# KiCad board BatreeqV2.kicad_pcb (continued)
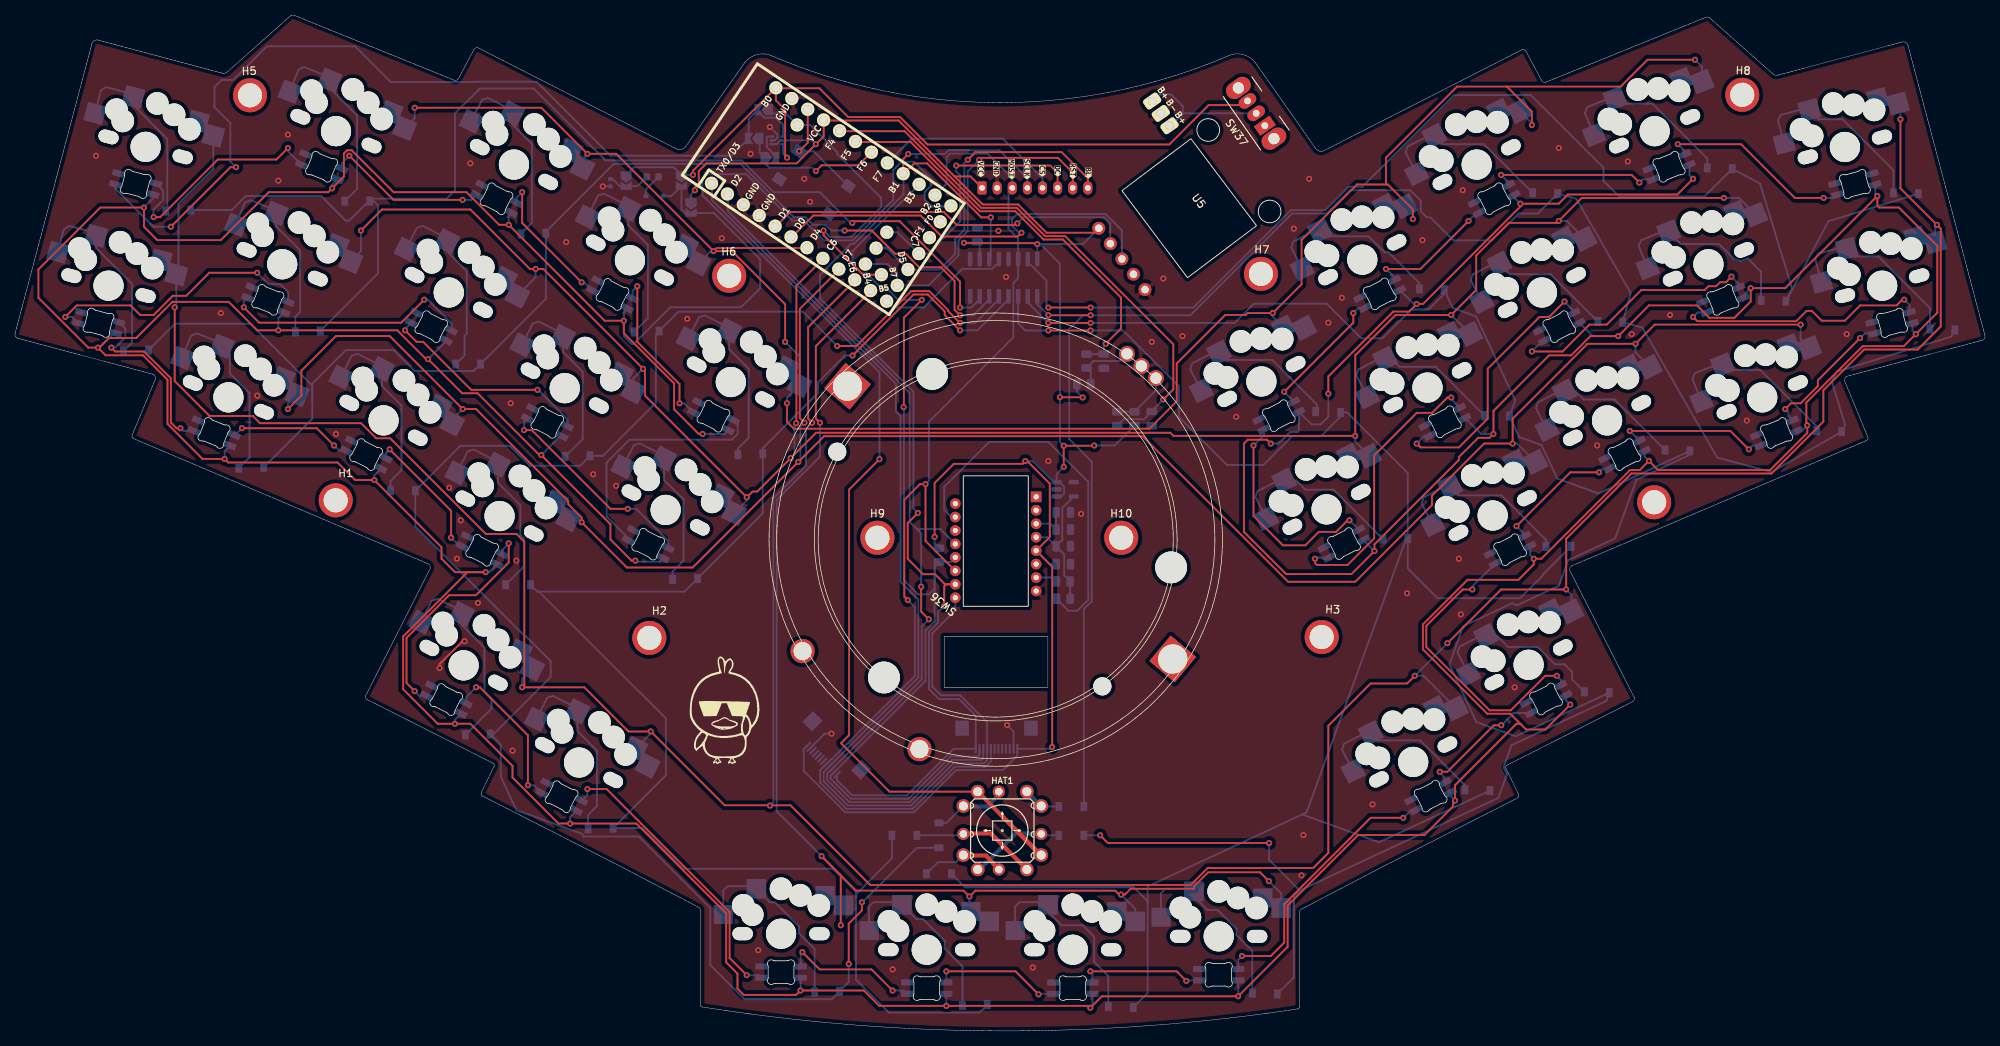
[diagram p0: board, top side]
## Nets (continued)
Net-(D39-Pad1): D39.1 HAT1.6
Net-(D40-Pad2): D40.2 F1.1
Net-(D41-Pad2): D41.2 D47.4
Net-(D41-Pad4): D41.4 D70.2
Net-(D42-Pad2): D42.2 D48.4
Net-(D42-Pad4): D42.4 D71.2
Net-(D43-Pad2): D43.2 D49.4
Net-(D43-Pad4): D43.4 D74.2
Net-(D44-Pad2): D44.2 D50.4
Net-(D45-Pad2): D45.2 D51.4
Net-(D45-Pad4): D45.4 D72.2
Net-(D46-Pad2): D46.2 D52.4
Net-(D46-Pad4): D46.4 D73.2
Net-(D47-Pad2): D47.2 D53.4
Net-(D48-Pad2): D48.2 D54.4
Net-(D49-Pad2): D49.2 D55.4
Net-(D50-Pad2): D50.2 D56.4
Net-(D51-Pad2): D51.2 D57.4
Net-(D52-Pad2): D52.2 D58.4
Net-(D53-Pad2): D53.2 D59.4
Net-(D54-Pad2): D54.2 D60.4
Net-(D55-Pad2): D55.2 D61.4
Net-(D56-Pad2): D56.2 D62.4
Net-(D57-Pad2): D57.2 D63.4
Net-(D58-Pad2): D58.2 D64.4
Net-(D60-Pad2): D60.2 D65.4
Net-(D61-Pad2): D61.2 D66.4
Net-(D62-Pad2): D62.2 D67.4
Net-(D63-Pad2): D63.2 D68.4
Net-(D64-Pad2): D64.2 D69.4
Net-(D65-Pad2): D65.2 D70.4
Net-(D66-Pad2): D66.2 D71.4
Net-(D67-Pad2): D67.2 D72.4
Net-(D68-Pad2): D68.2 D73.4
Net-(D69-Pad2): D69.2 D74.4
Net-(JP6-Pad2): JP6.2 U6.3
Net-(R1-Pad2): R1.2 U4.15
Net-(R2-Pad1): R2.1 U4.7
Net-(R4-Pad2): R4.2 R5.1 SW36.A
Net-(R6-Pad1): R6.1 R7.2 SW36.B

Pads without a net: D59 2; H1 1; H2 1; H3 1; H4 1; H5 1; H6 1; H7 1; H8 1; H9 1; H10 1; J1 3 4 5 6 7 13 14; J2 6 7 8 9 10 13 14; SW36 MP; SW37 1; U1 28 29; U2 9; U3 4; U4 1 2 6 14 16; U5 4

## Via types
v1: diameter 0.8, hole 0.4, Top to Bottom, 258 vias

## Routing (per net, layer and track width the routed paths; a pad name or vN(x,y) marks a point on that pad's centre or on a via; arc(x,y) is an arc through that point)
GND: length 15.9
  Top w0.25: v1(56.19,48.01) 56.19,48.55 59.21,51.57 v1(59.49,51.57)
  Bottom w0.25: J1.2 107.15,39.34 v1(108.04,39.34) ; U6.2 100.53,117.86 100.9,118.23 100.9,118.63 v1(99.88,119.64) ; J2.11 132.14,39.63 v1(131.28,40.49) ; v1(77.78,111.77) C6.2
  vias: v1(10.73,115.83) v1(27.24,95) v1(32.06,84.08) v1(34.86,112.53) v1(36.13,118.63) v1(42.48,79) v1(57.46,71.89) v1(58.48,62.49) v1(58.99,67.57) v1(60.26,114.82) v1(61.27,56.65) v1(65.59,83.07) v1(65.84,37.09) v1(66.35,62.24) v1(72.96,104.4) v1(76.51,73.67) v1(79.56,72.14) v1(88.96,94.24) v1(93.53,104.91) v1(97.34,116.09) v1(98.36,10.68) v1(104.45,112.78) v1(105.21,109.74) v1(116.14,8.14) v1(130.14,105.89) v1(131.16,99.8) v1(134.68,8.39) v1(136.74,75.41) v1(141.08,68.44) v1(150.43,91.19) v1(151.95,99.58) v1(154.49,91.96) v1(161.6,81.29) v1(169.22,106.18) v1(170.24,20.58) v1(170.49,25.92) v1(171.25,112.78) v1(173.79,93.73) v1(175.57,97.04) v1(179.64,29.98) v1(184.21,57.92) v1(186.24,104.66) v1(191.07,62.49) v1(191.32,55.13) v1(191.57,111.26) v1(198.43,45.47) v1(204.27,116.85) v1(209.35,77.48) v1(213.42,115.07) v1(213.93,92.21) v1(219.01,94.75) v1(229.17,80.78) v1(242.37,92.21)
VCC: length 270.3
  Top w0.25: 124.36,113.07 124.39,113.09 126.44,113.09 J3.1 ; 124.36,113.07 116.94,120.49 107.05,120.49 ; 124.36,113.07 128.05,109.38 132.75,109.38 136.49,105.64 142.82,105.64 U5.1 ; v1(137.25,37.56) 137.25,41.12 137.25,41.12 137.25,61.44 U4.5 136.93,65.36 136.93,72.43 133.95,75.41 v1(133.7,75.41) 133.33,75.05 124.23,75.05 121.69,72.51 v1(121.69,65.39) ; v1(142.81,77.48) 142.77,77.44 v1(138.78,77.44) v1(138.78,74.65) ; v1(125.57,104.31) 125.62,104.26 135.15,104.26 v1(135.28,104.13) ; U1.21 107.01,118.39 103.44,114.82 91.5,114.82 90.48,113.8 90.48,112.2 89.97,111.69 v1(89.97,111.26) ; v1(138.27,83.86) 141.25,83.86 v1(141.28,83.83)
  Bottom w0.25: v1(121.69,65.39) 121.69,64.45 R3.2 ; v1(135.28,104.13) 135.71,104.13 138.27,101.57 v1(138.27,83.86) 138.27,77.95 v1(138.78,77.44) ; v1(135.28,104.13) 141.31,104.13 U5.1 ; v1(135.28,104.13) U2.16 ; U3.1 138.43,70.73 138.82,71.12 138.82,72.02 138.22,72.63 U3.3 ; J1.1 104.37,37.27 104.37,34.41 109.85,28.93 118.96,28.93 124.55,34.52 130.73,34.52 132.64,36.42 J2.12 137.02,37.34 v1(137.25,37.56) ; U4.5 136.92,61.77 C1.1 ; v1(125.57,104.31) 127.4,104.31 127.66,104.05 U2.10 ; R5.2 145.5,77.48 v1(142.81,77.48) ; v1(105.98,117.36) 105.47,117.86 U6.5 101.27,117.86 100.97,117.57 100.97,117.49 100.84,117.36 U6.1 ; v1(138.78,74.65) 137.83,73.71 U3.3 ; JP1.1 89.47,110.75 v1(89.97,111.26) ; U3.3 137.5,72.63 134.71,75.41 v1(133.7,75.41) ; v1(141.28,83.83) 140.52,84.59 R6.2
VDD: length 18.4
  Bottom w0.25: R1.1 R2.2 138.84,60.27 138.84,63.06 C2.1 ; U4.4 136.56,65.34 C2.1 ; U3.5 138.59,69.21 138.59,64.96 C2.1
bat+: length 20.3
  Bottom w0.25: 150.55,123 151.48,123.93 153,123.93 154.52,122.4 154.52,121.39 152.91,119.77 154.58,121.44 SW37.2
col0: length 155.8
  Top w0.25: v1(110.8,106.94) 111.02,107.16 117.07,107.16 125.06,99.17 v1(125.06,95.73)
  Bottom w0.25: 47.14,110.16 44.22,107.24 43.78,107.24 40.52,110.5 30.54,110.5 28.67,108.63 28.4,108.63 28.4,108.63 D3.2 ; 47.14,110.16 57.12,110.16 58.22,111.26 58.22,121.43 61.52,124.72 68.64,124.72 78.15,115.21 96.19,115.21 100.39,111.01 106.48,111.01 110.55,106.94 v1(110.8,106.94) ; 47.14,110.16 48.03,109.26 48.03,100.26 D2.2 ; v1(125.06,95.73) 126.56,95.73 127.66,96.83 U2.7
col1: length 163.3
  Top w0.25: v1(125.06,94.72) 125.05,94.72 124.34,95.43 124.34,99.25 122.52,101.07 119.65,101.07 117.87,102.84 116.46,102.84 113.38,105.93 v1(109.79,105.93)
  Bottom w0.25: D6.2 39.34,81.02 39.34,83.23 ; 39.34,83.23 39.34,85.66 43.78,90.1 50.13,90.1 52.91,87.33 60.69,87.33 D5.2 70.25,96.89 D4.2 70.25,105.76 79.25,114.76 96,114.76 103.05,107.71 104.57,107.71 105.6,106.69 107.26,106.69 108.02,105.93 v1(109.79,105.93) ; 39.34,83.23 39.34,85.39 31.14,93.59 21.17,93.59 D7.2 ; v1(125.06,94.72) 126.81,94.72 128.93,96.83 U2.6
col2: length 240.8
  Top w0.25: v1(108.8,90.65) 111.34,90.65 118.61,97.92 120.97,97.92 123.48,95.41 123.48,95.27 125.03,93.72 v1(125.06,93.72) ; v1(110.33,8.86) 110.33,14.2 112.07,15.94 v1(112.07,17.03)
  Bottom w0.25: v1(110.33,8.86) 110.33,6.47 D12.2 108.06,4.2 96.53,4.2 92.01,8.72 92.01,16.26 82.54,25.73 75.24,25.73 75.09,26.05 66.35,29.23 64.29,33.64 64.29,37.89 D11.2 63.33,39.29 70.89,46.85 70.89,48.94 67.56,52.27 67.43,52.27 52.98,66.72 D10.2 58.93,77.44 65.48,77.44 68.13,74.79 74.77,74.79 D9.2 77.69,76.12 77.75,76.06 84.81,83.12 84.81,92.19 D8.2 87.79,95.18 104.28,95.18 v1(108.8,90.65) ; U2.5 130.2,96.83 127.08,93.72 v1(125.06,93.72) ; D35.2 119.35,24.23 112.14,17.03 v1(112.07,17.03)
col3: length 207.9
  Top w0.25: v1(125.06,92.72) 125.03,92.72 123.03,94.72 123.03,95.22 120.78,97.47 118.93,97.47 v1(110.84,89.38)
  Bottom w0.25: D15.2 69.13,58.14 69.35,58.14 ; 111.28,18.07 116.04,22.84 D36.2 ; 111.28,18.07 111.28,6.79 115.65,2.42 127.62,2.42 D17.2 ; 111.28,18.07 111.28,18.4 108.23,21.45 88.42,21.45 83.03,26.84 D16.2 86.13,33.83 86.13,41.36 69.35,58.14 ; 69.35,58.14 88.6,58.14 98.96,68.5 D13.2 98.96,77.12 106.26,84.43 106.26,85.83 109.82,89.38 v1(110.84,89.38) ; U2.4 131.47,96.83 127.35,92.72 v1(125.06,92.72)
col4: length 243.7
  Top w0.25: 142.33,92.68 142.32,92.7 v1(136.74,92.7)
  Bottom w0.25: D19.2 184.3,73.82 176.28,81.85 D18.2 175.41,81.31 172.81,78.71 169,78.71 165.19,74.9 160.37,74.9 154.02,81.25 154.02,85.3 146.62,92.7 v1(142.33,92.7) ; D19.2 184.3,61.2 188.24,57.27 199.16,57.27 202.21,60.31 202.21,60.44 D20.2 ; D19.2 184.05,65.05 170.9,28.91 170.34,28.65 ; 170.34,28.65 180.49,24.96 D21.2 ; 170.34,28.65 170.31,28.64 149.88,19.11 149.88,17.17 ; 149.88,17.17 148.02,19.02 125.69,19.02 D37.2 ; 149.88,17.17 149.88,5 D22.2 ; U2.3 132.74,93.64 133.68,92.7 v1(136.74,92.7)
col5: length 287
  Top w0.25: v1(136.74,93.7) 142.59,93.7 ; v1(165.95,24.87) 144.62,24.87 v1(143.6,25.88)
  Bottom w0.25: 170.01,18.58 170.01,18.57 169.22,17.79 169.22,7.08 D27.2 ; 170.01,18.58 165.95,22.63 v1(165.95,24.87) ; 170.01,18.58 196.28,30.83 197.42,33.97 196.98,34.92 198.03,37.81 210.57,43.66 D26.2 198.58,38.99 193.37,40.88 189.81,48.53 191.64,53.58 198.09,56.58 198.77,56.34 204.29,58.92 205.52,62.29 211.73,65.19 214.56,72.95 221.41,76.15 D23.2 209.53,71.12 204.07,73.11 202.02,77.52 199.06,78.6 D25.2 198.52,83.45 193.34,94.56 190.25,95.68 D24.2 189.13,97.57 187.04,95.48 184.75,95.48 180.94,91.67 178.15,91.67 173.57,96.24 163.92,96.24 161.38,93.7 v1(142.33,93.7) ; U2.2 134.01,96.43 136.74,93.7 v1(136.74,93.7) ; D38.2 v1(143.6,25.88)
col6: length 238.9
  Top w0.25: v1(136.74,94.72) v1(142.33,94.72)
  Bottom w0.25: U2.1 135.28,96.17 136.74,94.72 v1(136.74,94.72) ; D39.2 141.44,55.84 142.48,56.87 142.48,75.35 139.5,78.32 139.5,92.9 141.32,94.72 v1(142.33,94.72) 155.54,94.72 169,108.18 173.57,108.18 176.66,111.27 184.63,111.27 186.03,109.87 186.03,108.46 186.82,107.67 187.29,107.67 190.34,104.62 195.42,104.62 198.97,108.18 201.51,108.18 204.11,110.78 D28.2 206.6,110.14 213.79,97.68 D29.2 215.32,93.1 225.26,75.88 232.43,73.95 D30.2 242.17,80.18 240.39,85.99 241.07,87.26 256.22,91.89 D31.2
col7: length 163
  Top w0.25: v1(136.74,95.73) 142.59,95.73
  Bottom w0.25: v1(142.33,95.73) 155.92,95.73 168.82,108.63 173.39,108.63 176.48,111.72 178.27,111.72 190.41,123.85 200.57,123.85 210.2,114.23 210.2,112.49 212.22,110.46 223.59,110.46 D32.2 230.9,112.15 235.18,98.16 D33.2 239.97,107.17 D34.2 ; v1(136.74,95.73) 136.49,95.99 136.49,99.3 134.01,101.78 U2.15
EncL: length 71.2
  Top w0.25: v1(151.95,83.57) 153.28,84.9 153.28,90.88 138.97,105.19 136.3,105.19 132.56,108.93 127.86,108.93 117.72,119.07 109.16,119.07
  Bottom w0.25: v1(151.95,83.57) 150.43,82.05 C7.1 149.4,80.96 146.69,80.96 R4.1
EncR: length 54.3
  Top w0.25: 111.26,117.65 118.51,117.65 127.68,108.48 132.37,108.48 136.12,104.74 138.66,104.74 146.36,97.04 146.36,92.97 v1(144.33,90.94)
  Bottom w0.25: R7.1 144.04,89.57 C8.1 144.08,90.69 v1(144.33,90.94)
LED_3V3: length 19.1
  Top w0.25: U1.18 111.59,114.56 106.74,114.56 v1(105.98,113.8)
  Bottom w0.25: JP3.1 98.54,116.2 JP6.1 99.16,114.91 99.82,114.25 105.53,114.25 v1(105.98,113.8)
LED_5V: length 41.1
  Top w0.25: v1(106.99,105.93) 106.99,105.31 112.22,100.09 U1.30
  Bottom w0.25: v1(106.99,105.93) 107.85,105.07 110.66,105.07 112.64,107.05 112.64,107.06 114.61,109.03 114.61,110.24 108.77,116.09 108.77,116.34 105.21,119.9 U1.30 101.99,121.42 100.31,121.42 JP4.1
LED_DO: length 123.7
  Top w0.25: v1(29.27,114.31) 28.51,114.31 v1(20.63,106.43)
  Bottom w0.25: v1(20.63,106.43) 18.33,106.43 13.27,111.49 D44.4 ; U6.4 101.65,119.91 100.7,120.85 99.17,120.85 98.36,121.67 JP4.2 97.09,120.66 JP3.2 94.8,115.83 78.8,115.83 69.01,125.62 61.14,125.62 61.11,125.59 49.74,125.59 45.02,130.31 33.33,130.31 28.89,125.86 27.36,125.86 26.4,124.9 26.4,122.26 28.51,120.15 28.51,115.07 v1(29.27,114.31)
LED_PWR: length 970.1
  Top w0.25: v1(10.98,90.43) 11.14,90.43 12.41,91.7 16.05,91.7 20.84,96.49 28.29,96.49 32.06,92.72 v1(34.86,92.72) 50.6,92.72 54.41,88.91 v1(54.67,88.91) 59.18,84.39 61.21,84.39 69.4,76.21 v1(69.65,76.21) 78.8,67.06 78.8,65.03 81.59,62.24 v1(82.1,62.24) ; v1(10.98,90.43) 9.7,90.43 3.11,97.03 3.11,100.78 11.3,108.97 v1(17.08,108.97) 17.08,106.43 18.85,104.66 27.24,104.66 33.59,111.01 41.46,111.01 v1(41.97,111.51) 43.53,113.08 43.53,116.13 43.95,116.56 44.55,116.56 50.11,111.01 59.75,111.01 64.07,106.69 v1(65.34,106.69) 78.04,93.99 v1(80.58,93.99) 80.58,92.34 87.22,85.69 87.22,82.27 90.48,79 v1(90.99,79) ; v1(10.98,90.43) 12,89.42 16.95,89.42 20.18,86.18 20.18,80.34 24.82,75.7 v1(27.74,75.7) 28.21,75.24 42.69,75.24 45.02,72.91 v1(47.56,72.91) 56.45,64.02 56.45,62.49 58.22,60.71 v1(62.29,60.71) 59.87,60.71 51.37,52.21 51.37,45.22 55.94,40.65 v1(58.22,40.65) 60.26,40.65 65.84,35.06 65.84,33.53 71.93,27.44 v1(73.46,27.44) 82.23,27.44 94.12,15.55 94.12,9.07 95.61,7.57 95.61,5.59 96.43,4.76 103.37,4.76 v1(103.94,5.34) 112.33,5.34 114.36,3.31 v1(123.25,3.31) 142.04,3.31 v1(142.3,3.06) 143.82,4.58 v1(161.86,4.58) 168.4,11.13 168.4,16.59 177.73,25.92 186.49,25.92 190.3,29.73 190.3,30.23 v1(190.56,30.49) 190.56,32.52 198.69,40.65 199.19,40.65 ; v1(173.79,84.34) 173.79,86.62 182.37,95.2 184.48,95.2 v1(185.48,96.2) 186.3,96.2 199.19,109.1 v1(199.19,109.48) 204.27,109.48 205.49,110.69 219.96,110.69 v1(222.05,112.78) ; v1(166.17,77.73) 165.67,78.24 163.13,78.24 162.62,77.73 162.62,66.05 168.21,60.46 176.84,60.46 v1(179.89,63.51) 179.89,64.4 191.07,75.57 191.07,75.95 193.61,78.49 195.13,78.49 v1(195.64,79) 195.64,82.05 203,89.42 205.92,89.42 208.46,91.96 v1(212.15,91.96) 216.21,96.02 222.56,96.02 224.2,94.38 227.53,94.38 229.67,96.53 v1(229.67,98.31) 234.25,98.31 v1(246.44,110.5) 246.44,109.23 246.69,108.97 249.29,108.97 254.37,103.89 254.37,95.06 v1(251.52,92.21) 249.94,90.63 244.5,90.63 237.04,83.17 237.04,80.53 237.16,80.41 v1(237.16,80.14) 237.16,79.14 232.25,74.23 217.43,74.23 v1(216.21,75.45) 214.99,74.23 213.71,74.23 201.97,62.49 v1(200.97,62.49) 200.97,61.73 198.94,59.7 192.21,59.7 186.3,53.79 186.3,50.5 194.82,41.98 197.87,41.98 199.19,40.65 ; 199.19,40.65 199.96,39.89 202.5,39.89 v1(205.8,43.19)
  Bottom w0.25: v1(205.8,43.19) 205.25,43.73 D55.1 ; v1(17.08,108.97) 18.3,110.19 D44.1 ; D40.1 86.85,110.5 JP2.2 88.2,108.72 88.67,108.25 JP1.2 92.48,108.25 98.61,102.12 98.61,98.31 96.07,95.77 86.71,95.77 81.88,90.94 81.59,90.94 80.58,91.96 v1(80.58,93.99) 80.58,95.15 D62.1 ; D58.1 73.46,28.3 v1(73.46,27.44) ; D59.1 246.16,110.77 v1(246.44,110.5) ; v1(65.34,106.69) 65.34,107.92 D56.1 ; v1(199.19,109.48) 198.38,110.29 D47.1 ; v1(179.89,63.51) 178.52,64.88 D65.1 ; v1(222.05,112.78) 221.56,113.28 D53.1 ; v1(251.52,92.21) 251.09,92.64 D42.1 ; D73.1 47.56,73.53 v1(47.56,72.91) ; D50.1 41.97,111.96 v1(41.97,111.51) ; v1(190.56,30.49) 189.98,31.07 D49.1 ; D74.1 142.58,3.34 v1(142.3,3.06) ; v1(237.16,80.14) 236.44,79.41 D71.1 ; D69.1 123.25,3.32 v1(123.25,3.31) ; v1(103.94,5.34) 103.97,5.37 D64.1 ; v1(173.79,84.34) 173.79,81.29 172.78,80.27 171.56,80.27 D70.1 169.89,79.42 169.73,79.26 168.71,79.26 167.19,77.73 v1(166.17,77.73) ; v1(69.65,76.21) 72.14,78.69 D45.1 ; D61.1 200.5,62.97 v1(200.97,62.49) ; v1(58.22,40.65) 58.22,41.19 D52.1 ; v1(185.48,96.2) 185.1,96.2 D41.1 ; v1(161.86,4.58) 161.88,4.61 D43.1 ; D63.1 13.13,92.33 11.23,90.43 v1(10.98,90.43) ; v1(212.15,91.96) 208.77,91.96 D54.1 ; v1(54.67,88.91) 57.08,91.31 D51.1 ; D60.1 194,79 v1(195.64,79) ; D72.1 85.31,62.11 82.23,62.11 v1(82.1,62.24) ; D68.1 27.74,76.74 v1(27.74,75.7) ; v1(90.99,79) 93.9,79 D67.1 ; D66.1 215.64,76.02 v1(216.21,75.45) ; v1(62.29,60.71) 62.75,60.71 D46.1 ; D57.1 34.86,94.35 v1(34.86,92.72) ; D48.1 228.68,97.31 v1(229.67,98.31)
MISO: length 133.3
  Top w0.25: v1(119.98,96.75) 117.63,94.4 117.63,82.6 v1(117.58,82.56)
  Bottom w0.25: 121.69,61.48 121.69,54.21 120.49,53.01 120.49,46.32 J1.11 107.9,33.74 107.9,33.42 110.6,30.73 118.22,30.73 123.81,36.32 127.37,36.32 127.64,36.59 J2.2 ; 121.69,61.48 R3.1 ; 121.69,61.48 R3.1 ; 121.69,61.48 121.69,58.54 120.94,57.78 119.53,57.78 117.63,59.68 117.63,82.51 v1(117.58,82.56) ; U4.12 123.81,62.05 R3.1 ; v1(119.98,96.75) 116.87,96.75 115.37,98.25 114.69,98.25 112.66,100.28 112.03,100.28 110.84,101.47 110.84,103.23 U1.15
MOSI: length 150.5
  Top w0.25: U4.11 120.49,64.83 v1(120.49,72.36) 119.75,72.36 117.69,70.3 117.69,57.46 v1(118.14,57.01)
  Bottom w0.25: U1.14 123.28,112.15 123.28,115.67 123.72,116.11 128.7,116.11 131.97,112.84 J3.3 131.47,111.07 131.47,106.15 132.74,104.88 132.74,99.6 132.12,98.98 132.12,91.82 120.93,80.63 120.93,72.81 v1(120.49,72.36) ; v1(118.14,57.01) 119.08,56.07 119.08,46.96 107.94,35.82 107.87,35.82 J1.8 106.56,34.51 106.56,32.86 110.04,29.38 118.78,29.38 124.37,34.97 128.43,34.97 129.14,35.67 J2.5
MOTION: length 148.3
  Bottom w0.25: 92.22,112.14 92.22,109.97 116.57,85.63 116.57,81.96 117.18,81.35 117.18,59.42 119.53,57.07 119.53,46.78 J1.9 107.01,34.25 107.01,33.05 110.22,29.83 118.59,29.83 124.18,35.42 128.25,35.42 128.64,35.81 J2.4 128.64,40.85 125.06,44.42 122.52,44.42 122.27,44.68 122.27,44.68 121.39,45.56 121.39,52.63 124.43,55.68 U4.9
NCS: length 125.5
  Top w0.25: v1(120.93,54.47) 119.91,55.49 v1(119.91,58.79)
  Bottom w0.25: 119.35,66.41 118.39,67.37 118.39,84.44 94.33,108.5 94.33,110.72 ; 119.35,66.41 122.47,66.41 U4.13 ; 119.35,66.41 119.91,65.84 v1(119.91,58.79) ; v1(120.93,54.47) 119.98,53.52 119.98,46.52 J1.10 107.45,34 107.45,33.23 110.41,30.28 118.41,30.28 123.99,35.87 127.93,35.87 128.14,36.07 J2.3
RAW: length 105.5
  Top w0.25: SW37.3 162.54,122.53 157.95,122.53 152.75,117.32 120.74,117.32 117.12,120.94 110.26,120.94 106.45,124.76 100.74,124.76 ; v1(102.17,115.58) 101.91,115.83 101.91,121.93 100.69,123.15 U1.24 89.72,113.85 v1(89.72,113.29)
  Bottom w0.25: v1(102.17,115.58) 101.65,116.1 U6.6 ; v1(89.72,113.29) JP2.1 87.18,114.31 81.92,114.31 JP5.1
RESET: length 14.5
  Top w0.25: v1(103.76,116.41) 104.9,117.55 U1.22
  Bottom w0.25: SW35.1 v1(103.76,116.41) 105.7,116.41 SW35.1
row_0: length 272.3
  Top w0.25: v1(102.17,83.07) 102.17,80.61 103.08,79.7 150.11,79.7 153.73,83.32 153.73,88.34 160.14,94.75 162.85,94.75 163.1,95 v1(166.43,95) 170.25,98.83 170.25,104.69 177.58,112.02 181.41,112.02 ; v1(92.44,103.2) 92.86,103.62 104.86,103.62 ; v1(92.44,103.2) 79.56,116.09 v1(75.75,116.09) 69.65,122.18 v1(52.89,122.18) ; v1(92.44,103.2) 94.89,103.2 101.91,96.18 v1(101.91,91.19) ; 181.41,112.02 181.67,112.02 184.97,108.72 v1(184.97,107.45) ; 181.41,112.02 181.41,115.58 190.81,124.98 197.42,124.98 ; v1(222.31,128.53) 216.02,128.53 212.47,124.98 197.42,124.98 ; 197.42,124.98 200.72,121.67 v1(200.72,119.9)
  Bottom w0.25: v1(52.89,122.18) 52.89,120.79 SW1.1 ; v1(200.72,119.9) 200.72,120.12 SW28.1 ; 92.26,103.13 92,103.13 SW8.1 ; SW24.1 184.97,108.15 v1(184.97,107.45) ; v1(222.31,128.53) 223.23,127.61 SW32.1 ; SW18.1 168.85,93.05 168.46,93.44 167.53,93.44 166.43,94.53 v1(166.43,95) ; v1(75.75,116.09) 75.1,115.44 SW4.1 ; v1(102.17,83.07) 102.17,83.82 SW13.1 103.8,89.3 v1(101.91,91.19)
row_1: length 285.1
  Top w0.25: v1(45.78,105.93) 48.57,108.72 60.26,108.72 68.13,100.85 69.91,100.85 83.37,87.38 83.37,84.08 v1(96.83,70.62) 97.59,71.38 98.22,71.38 106,79.16 152.88,79.16 153.3,78.75 v1(177.35,78.75) 177.35,89.42 182.68,94.75 v1(190.05,94.75) 193.35,98.05 193.35,102.62 197.67,106.94 204.02,106.94 207.32,110.24 v1(226.12,110.24) ; v1(103.38,80.42) 103.4,80.45 103.4,98.63 106.96,102.2
  Bottom w0.25: v1(226.12,110.24) 228.14,110.24 SW33.1 ; SW5.1 68.89,99.73 v1(68.89,100.85) ; v1(103.38,80.42) 103.15,80.2 103.15,76.32 v1(102.64,75.81) ; SW19.1 177.35,78 v1(177.35,78.75) ; v1(190.05,94.75) 190.07,94.75 SW25.1 ; SW29.1 205.34,107.2 v1(204.27,107.2) ; SW9.1 81.83,86.35 v1(83.12,87.64) ; SW2.1 45.78,103.18 v1(45.78,105.93) ; v1(96.83,70.62) 96.83,70.19 SW14.1
row_2: length 297.8
  Top w0.25: v1(236.28,93.48) 216.97,93.48 v1(214.43,90.94) 208.08,90.94 198.18,81.03 v1(198.18,77.73) 194.4,77.73 187.5,70.84 187.5,69.6 177.35,59.44 168.46,59.44 149.19,78.71 107.07,78.71 89.69,61.33 80.98,61.33 v1(74.99,67.32) 74.99,67.93 73.21,69.71 73.21,70.11 61.02,82.3 v1(59.24,82.3) 49.59,91.96 42.48,91.96 37.9,87.38 37.9,84.08 v1(36.13,82.3) ; v1(104.47,80.49) 103.85,81.11 103.85,95.56 109.07,100.78
  Bottom w0.25: SW10.1 57.85,80.91 v1(59.24,82.3) ; v1(103.66,75.3) 103.91,75.55 103.91,79.93 v1(104.47,80.49) ; v1(74.99,67.32) 74.59,67.72 SW15.1 ; v1(198.18,77.73) 198.78,77.73 SW20.1 ; SW23.1 214.43,89.8 v1(214.43,90.94) ; SW30.1 236.28,91.61 v1(236.28,93.48) ; SW6.1 36.13,83.03 v1(36.13,82.3)
row_3: length 479.5
  Top w0.25: v1(105.49,80.49) 104.96,81.03 104.96,93.14 111.18,99.35 ; v1(21.14,95.77) 21.14,86 25.75,81.39 31.48,81.39 32.43,80.43 45.8,80.43 47.8,78.43 49.65,78.43 62.31,65.77 66.38,65.77 67.4,64.75 67.4,45.76 v1(67.11,45.47) 75.35,45.47 81.19,39.63 v1(84.13,39.63) 93.9,29.87 102.62,29.87 113.17,19.31 155.57,19.31 157.83,21.56 171.8,21.56 173.79,23.56 173.79,40.39 179.38,45.98 184.21,45.98 v1(185.22,47) ; v1(189.54,51.32) 196.65,58.43 v1(205.26,58.43) 205.26,65.14 213.89,73.78 232.44,73.78 239.29,80.63 239.29,84.79 244.69,90.18 251.77,90.18 254.82,93.23 254.82,106.18 249.49,111.51 v1(249.49,120.66)
  Bottom w0.25: SW3.1 26.25,114.09 21.65,109.48 21.65,100.41 SW7.1 21.34,95.97 v1(21.14,95.77) ; v1(67.11,45.47) 67.11,46.63 SW11.1 ; SW26.1 205.96,57.73 v1(205.26,58.43) ; v1(84.13,39.63) 84.13,39.37 82.4,37.64 ; v1(105.49,80.49) 104.67,79.67 104.67,74.79 100.36,70.47 100.36,30.26 v1(99.91,29.82) ; SW31.1 254.09,106.46 v1(254.31,106.69) ; v1(189.54,51.32) v1(185.22,47) 186.38,47 SW21.1 ; SW34.1 249.49,122.42 v1(249.49,120.66)
row_4: length 172.6
  Top w0.25: v1(165.92,19.82) 164.75,20.99 157.89,20.99 156.01,19.12 156.01,18.8 147.63,18.8 146.87,18.04 v1(146.36,18.04) 146.11,18.04 145.59,18.56 127.07,18.56 v1(126.3,17.79) 125.52,18.57 111.29,18.57 v1(106.74,23.12) 109.28,20.58 v1(109.28,13.98) ; v1(106.52,80.49) 105.98,81.03 105.98,90.63 113.28,97.93
  Bottom w0.25: SW17.1 126.3,17.12 v1(126.3,17.79) ; v1(165.92,19.82) 167.56,18.18 SW27.1 ; v1(109.28,13.98) 109.28,16.24 SW12.1 ; SW22.1 148.25,16.15 v1(146.36,18.04) ; v1(106.52,80.49) 106.52,76 100.8,70.29 100.8,29.06 v1(106.74,23.12)
row_5: length 155.9
  Top w0.25: HAT1.4 115.72,31.67 109.31,38.07 110.38,39.14 110.38,71.65 v1(114.39,75.67)
  Bottom w0.25: v1(114.39,75.67) 114.39,87.17 90.97,110.59 90.97,112.68 91.67,113.38 96.74,113.38 102.86,107.26 104.39,107.26 107.03,104.62 110.84,104.62 113.08,106.86 113.08,106.87 116.23,110.01 116.23,113.92 117.34,115.04 118.96,115.04 121.25,112.75 121.25,111.9 120.39,111.04 120.39,110.02 121.31,109.11 123.92,109.11
SCL: length 55
  Top w0.25: 102.75,105.04 105.64,107.92 119.84,107.92 122.63,105.13 132.68,105.13 v1(133.19,105.64)
  Bottom w0.25: v1(133.19,105.64) 132.85,105.64 131.92,106.57 131.92,107.41 132.62,108.12 144.3,108.12 146.47,105.94 U5.3
SCLK: length 161.9
  Top w0.25: v1(122.96,56.25) 122.96,58.84 123.24,59.11 U4.10 123.07,59.11 121.74,60.44 120.17,60.44 118.14,62.47 118.14,67.22 v1(119.47,68.55) ; 117.58,113.39 119,114.81 120.71,114.81 127.85,107.67 v1(129.12,107.67) ; U1.16 117.54,115.39 v1(118.2,116.05)
  Bottom w0.25: v1(129.12,107.67) 129.12,102.35 ; J1.12 108.77,33.19 110.78,31.18 118.03,31.18 124.19,37.34 J2.1 127.14,41.71 124.93,43.92 122.27,43.92 120.94,45.24 120.94,52.82 122.14,54.02 122.14,55.42 122.42,55.7 122.42,55.7 v1(122.96,56.25) ; 117.58,113.39 117.58,110.73 113.53,106.68 113.53,106.68 111.03,104.17 110.64,104.17 106.52,100.05 106.52,96.95 118.89,84.58 118.89,69.14 v1(119.47,68.55) ; J3.4 133.97,112.84 130.25,116.56 123.54,116.56 123.03,116.05 v1(118.2,116.05)
SDA: length 49.2
  Top w0.25: 100.65,106.46 102.57,108.38 122.91,108.38 124.64,106.65 132.43,106.65 v1(132.64,106.87)
  Bottom w0.25: v1(132.64,106.87) 133.44,107.67 144.11,107.67 144.94,106.84 U5.2
SR_CS: length 18
  Bottom w0.25: 115.39,96.51 116.17,95.73 120.23,95.73 125.36,100.86 129.27,100.86 130.2,101.78 U2.12
TFT_BL: length 44.6
  Top w0.25: v1(126.08,115.29) 127.09,116.31 138.5,116.31 141.97,112.84 J3.8
  Bottom w0.25: v1(126.08,115.29) 125.63,114.84 125.63,106.03 124.39,104.8 124.39,102.81 122.35,100.77 U1.26 115.35,103.6 U1.26
TFT_CS: length 25.3
  Bottom w0.25: J3.5 135.97,112.84 130.72,118.08 118.64,118.08 U1.17
TFT_DC: length 36
  Top w0.25: J3.6 137.97,113.56 137,114.53 v1(124.55,114.53)
  Bottom w0.25: U1.27 116.77,105.7 U1.27 120.83,102.88 125.06,107.1 125.06,113.26 124.55,113.77 v1(124.55,114.53)
TFT_RST: length 45.1
  Top w0.25: v1(127.6,115.29) 127.85,115.54 138.01,115.54 139.97,113.59 J3.7
  Bottom w0.25: v1(127.6,115.29) 126.08,113.77 126.08,105.84 124.84,104.61 124.84,102.63 120.88,98.67 U1.25 116.75,100.23 115.49,101.49 U1.25
Net-(C3-Pad1): length 5.2
  Bottom w0.25: U4.3 136.99,67.12 C3.1 C4.2
Net-(C6-Pad1): length 5.7
  Bottom w0.25: C6.1 79.11,112.73 80.03,111.8 JP5.2 82.37,111.8 F1.2
Net-(D1-Pad1): length 18.2
  Bottom w0.25: D1.1 45.27,111.45 45.27,121.17 41.68,124.76 SW1.2
Net-(D2-Pad1): length 17.3
  Bottom w0.25: D2.1 37.11,94.52 37.74,95.15 37.74,103.3 34.56,106.48 SW2.2
Net-(D3-Pad1): length 17
  Bottom w0.25: D3.1 20.17,108.72 20.17,118.04 15.67,122.54 SW3.2
Net-(D4-Pad1): length 17.6
  Bottom w0.25: SW4.2 65.81,119.99 68.4,117.4 68.4,106.96 66.96,105.51 D4.1
Net-(D5-Pad1): length 17.9
  Bottom w0.25: SW5.2 57.19,103.15 59.77,100.57 59.77,92.24 59.49,91.96 59.49,89.43 D5.1
Net-(D6-Pad1): length 18.2
  Bottom w0.25: D6.1 31.05,75.91 31.05,84.4 28.44,87.01 28.44,89.59 SW6.2
Net-(D7-Pad1): length 17.7
  Bottom w0.25: D7.1 15.49,91.09 15.49,98.88 10.76,103.61 SW7.2
Net-(D8-Pad1): length 18.1
  Bottom w0.25: SW8.2 81.16,106.61 83.75,104.02 83.75,94.32 D8.1
Net-(D9-Pad1): length 17.9
  Bottom w0.25: D9.1 75.12,78.33 75.12,87.25 72.54,89.84 SW9.2
Net-(D10-Pad1): length 17.8
  Bottom w0.25: D10.1 49.68,72.75 51.15,74.21 51.15,82.78 48.56,85.36 SW10.2
Net-(D11-Pad1): length 19
  Bottom w0.25: D11.1 63.05,42.63 63.05,43.95 62.13,44.87 62.13,50.72 59.16,53.69 SW11.2
Net-(D12-Pad1): length 17.3
  Bottom w0.25: D12.1 105.82,10.83 103.74,12.91 103.74,13.84 100.56,17.03 99.88,17.03 SW12.2
Net-(D13-Pad1): length 18.1
  Bottom w0.25: SW13.2 94.51,90.21 97.1,87.62 97.1,78.51 95.66,77.07 D13.1
Net-(D14-Pad1): length 17.7
  Bottom w0.25: SW14.2 85.89,72.93 88.47,70.34 88.47,62.26 87.02,60.81 D14.1
Net-(D15-Pad1): length 18.3
  Bottom w0.25: SW15.2 63.91,72.55 66.88,69.58 66.88,65.59 67.37,65.11 67.37,61.49 D15.1
Net-(D16-Pad1): length 17.1
  Bottom w0.25: SW16.2 74.43,39.68 77.01,37.1 77.01,29.76 75.85,28.6 D16.1
Net-(D17-Pad1): length 17.2
  Bottom w0.25: SW17.2 119.25,14.82 120.12,14.82 123.02,11.92 123.02,10.9 125.38,8.55 D17.1
Net-(D18-Pad1): length 16.8
  Bottom w0.25: D18.1 172.27,82.12 172.27,82.9 166.36,88.8 160.28,88.8 SW18.2
Net-(D19-Pad1): length 16.3
  Bottom w0.25: SW19.2 169.54,72.84 170.75,71.64 174.48,71.64 D19.1
Net-(D20-Pad1): length 16.4
  Bottom w0.25: SW20.2 191.07,70.87 196.69,70.87 202.59,64.97 D20.1
Net-(D21-Pad1): length 15.9
  Bottom w0.25: SW21.2 180.36,38.44 185.95,38.44 191.87,32.52 D21.1
Net-(D22-Pad1): length 18.4
  Bottom w0.25: SW22.2 136.7,15.76 138.49,13.98 141.28,13.98 142.81,12.45 142.81,9.15 144.68,7.28 D22.1
Net-(D23-Pad1): length 16.5
  Bottom w0.25: SW23.2 206.54,84.61 207.58,83.57 211.65,83.57 D23.1
Net-(D24-Pad1): length 16.8
  Bottom w0.25: D24.1 185.83,98.97 181.74,103.06 181.23,103.06 179.13,105.16 173.39,105.16 SW24.2
Net-(D25-Pad1): length 16.3
  Bottom w0.25: SW25.2 182.13,88.96 183.19,87.89 188,87.89 D25.1
Net-(D26-Pad1): length 16.7
  Bottom w0.25: SW26.2 196.13,52.27 197.59,50.81 197.92,50.81 197.94,50.82 201.46,50.82 203.77,48.52 205.04,48.52 206.05,47.51 206.05,46.5 D26.1
Net-(D27-Pad1): length 17.5
  Bottom w0.25: SW27.2 156.01,17.79 157.79,16.01 159.14,16.01 161.65,13.5 161.65,12.66 163.73,10.58 D27.1
Net-(D28-Pad1): length 16.1
  Bottom w0.25: D28.1 196.15,115.58 196.15,115.58 194.37,117.36 188.92,117.36 SW28.2
Net-(D29-Pad1): length 16.2
  Bottom w0.25: SW29.2 197.84,100.13 203.22,100.13 D29.1
Net-(D30-Pad1): length 16.4
  Bottom w0.25: D30.1 238.41,80.02 230.94,87.49 226.58,87.49 SW30.2
Net-(D31-Pad1): length 17.1
  Bottom w0.25: SW31.2 243.39,102.5 246.55,102.5 253.39,95.65 D31.1
Net-(D32-Pad1): length 16.7
  Bottom w0.25: D32.1 223.93,115.47 216.67,122.72 212.35,122.72 SW32.2
Net-(D33-Pad1): length 18.4
  Bottom w0.25: SW33.2 220.42,104.15 225.48,104.15 227.38,102.24 228.32,101.85 229.29,102.24 231.04,100.5 D33.1
Net-(D34-Pad1): length 17.4
  Bottom w0.25: D34.1 248.57,113.91 241.82,120.66 238.67,120.66 SW34.2
Net-(D35-Pad1): length 4.2
  Bottom w0.25: HAT1.1 123.26,27.53 D35.1
Net-(D36-Pad1): length 6.2
  Bottom w0.25: HAT1.2 125.31,25.88 D36.1
Net-(D37-Pad1): length 5.9
  Bottom w0.25: D37.1 122.14,22.33 124.56,22.33 HAT1.3
Net-(D38-Pad1): length 2.4
  Bottom w0.25: HAT1.5 135.98,25.88 D38.1
Net-(D39-Pad1): length 2.4
  Bottom w0.25: D39.1 135.87,29.69 HAT1.6
Net-(D40-Pad2): length 3.2
  Bottom w0.25: F1.1 83.52,111.38 D40.2
Net-(D41-Pad2): length 17.3
  Top w0.25: v1(181.41,100.85) 185.99,100.85 v1(192.34,107.2)
  Bottom w0.25: D47.4 193.42,108.28 v1(192.34,107.2) ; v1(181.41,100.85) 182.57,99.69 D41.2
Net-(D41-Pad4): length 17.8
  Top w0.25: v1(167.95,84.59) 177.1,93.73 v1(177.1,95)
  Bottom w0.25: v1(167.95,84.59) 169.21,83.33 D70.2 ; D41.4 177.79,95.7 v1(177.1,95)
Net-(D42-Pad2): length 34.4
  Top w0.25: v1(249.99,96.78) 249.74,96.78 248.98,96.02 244.15,96.02 242.12,93.99 239.07,93.99 237.77,95.29 237.07,95.29 235.7,93.93 222.62,93.93 v1(222.05,94.5)
  Bottom w0.25: v1(222.05,94.5) 222.64,95.08 D48.4 ; D42.2 250.7,96.08 v1(249.99,96.78)
Net-(D42-Pad4): length 18.3
  Top w0.25: v1(244.15,91.7) 238.56,86.11 238.56,85.35 236.28,83.07 235.01,83.07 v1(234.25,82.3)
  Bottom w0.25: D71.2 234.66,81.38 234.66,81.89 v1(234.25,82.3) ; D42.4 244.77,92.32 v1(244.15,91.7)
Net-(D43-Pad2): length 35.9
  Top w0.25: v1(162.36,9.91) 166.17,9.91 167.95,11.69 167.95,16.77 179.38,28.2 v1(183.7,28.2)
  Bottom w0.25: v1(183.7,28.2) 184.72,29.22 D49.4 ; D43.2 161.88,9.43 v1(162.36,9.91)
Net-(D43-Pad4): length 16.5
  Top w0.25: v1(155,6.61) 153.73,7.88 v1(142.3,7.88)
  Bottom w0.25: v1(142.3,7.88) 142.58,7.6 D74.2 ; v1(155,6.61) 155.07,6.69 D43.4
Net-(D44-Pad2): length 29.8
  Top w0.25: v1(36.13,116.85) 34.6,115.32 26.85,115.32 19.23,107.7 v1(18.35,107.7)
  Bottom w0.25: v1(18.35,107.7) 18.35,108.72 19.62,109.99 19.62,111.21 D44.2 ; v1(36.13,116.85) 36.13,116.41 D50.4
Net-(D45-Pad2): length 28.6
  Top w0.25: v1(51.62,92.72) 53.14,91.19 54.02,91.19 60.37,84.84 v1(69.15,84.84)
  Bottom w0.25: v1(69.15,84.84) 69.23,84.84 73.1,80.97 D45.2 ; v1(51.62,92.72) 51.62,92.9 D51.4
Net-(D45-Pad4): length 27.8
  Top w0.25: v1(81.08,69.1) 78.8,69.1 68.39,79.51 v1(67.37,79.51)
  Bottom w0.25: v1(81.08,69.1) 82.21,69.1 86.46,64.85 D72.2 ; v1(67.37,79.51) 67.37,80.63 D45.4
